# Altium PCB rv_ledbrick_8ch.PcbDoc (part 2 of 3)
Units mil, origin at the board's own origin, x right, y up, seen from the top; angles counter-clockwise.
Board outline 3346.46 x 3346.46 mil, 4 copper layers (Top Layer, Int1 (GND), Int2 (PWR), Bottom Layer), stack 53.912 mil thick; 212 components, 146 nets, 672 pads, 556 vias.
Unrouted connection lines stored in the file: 1.
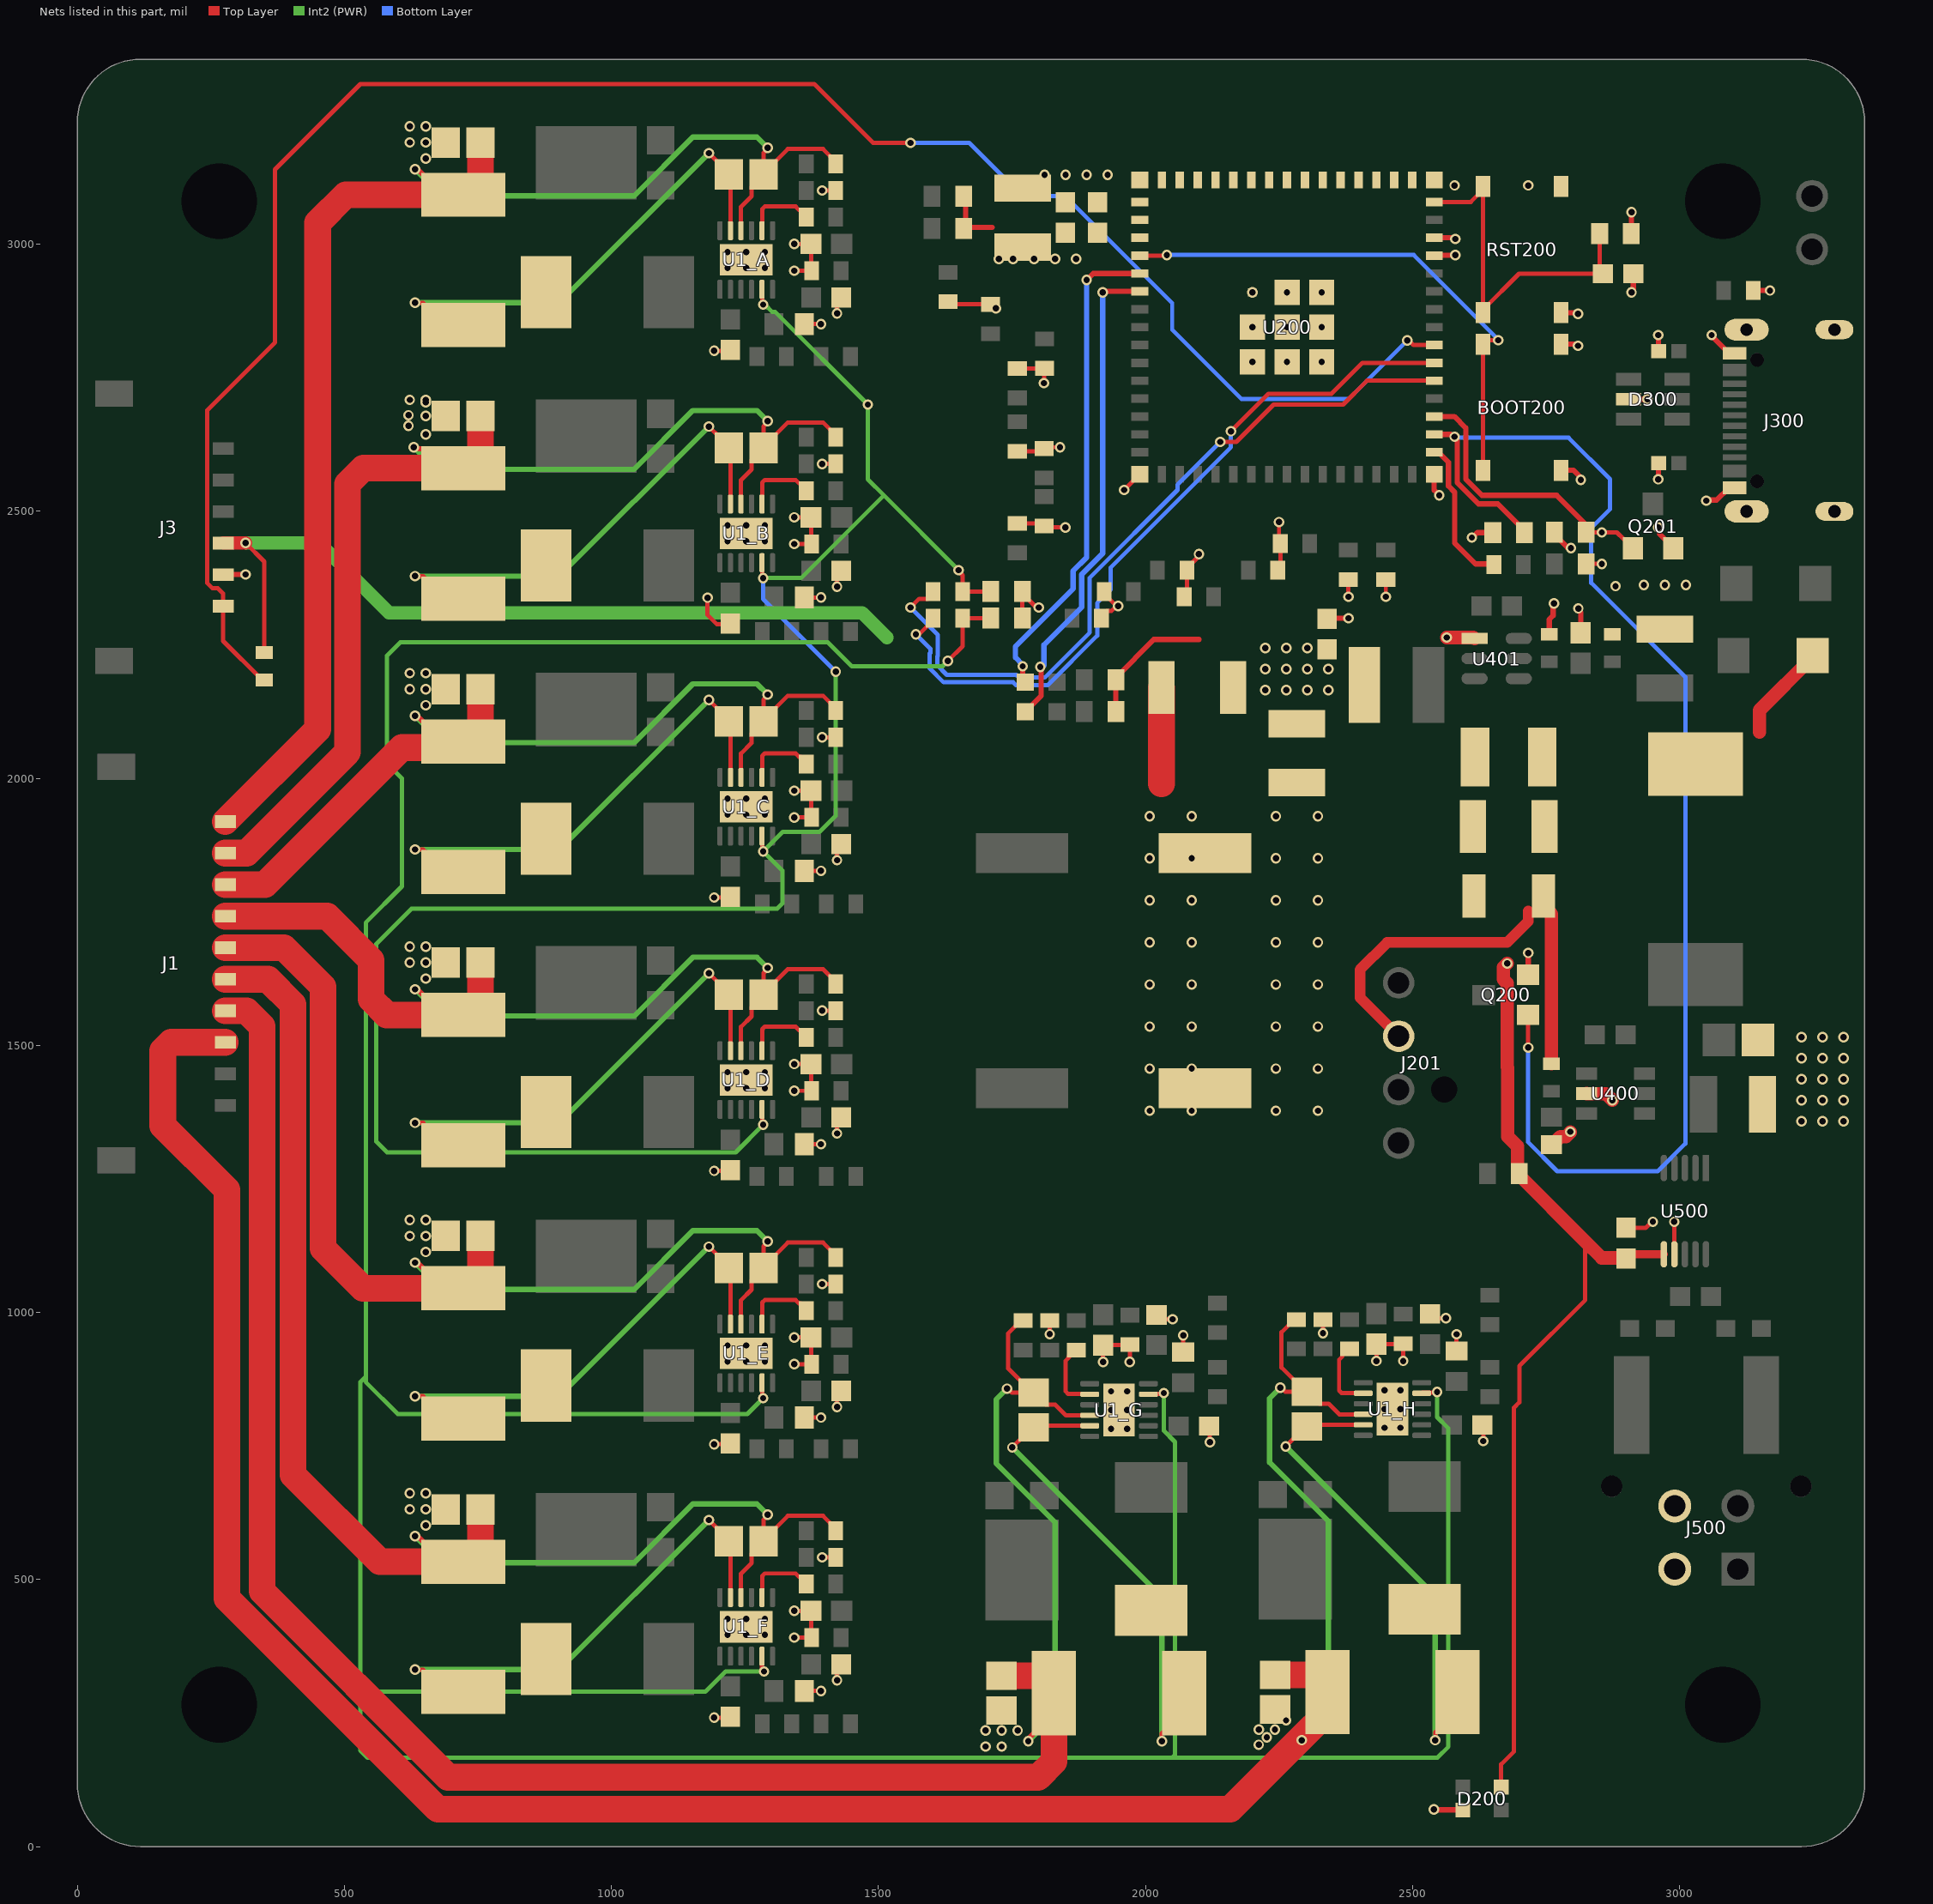
[diagram p4: the nets of this part, all layers, seen from the top]

## Part data
BOOT200 RST200: library part CMP-011-00015-1, "Switch Tactile N.O. SPST Round Button Gull Wing 0.05A 12VDC 200000Cycles 2.45N SMD T/R", Contact Current Rating=50mA, Contact Resistance=100mR, Max Operating Temperature=70°C, Min Operating Temperature=-20°C, Operating Force=260gf, Ratings=IP40, Voltage Rating (DC)=12V, Actuator Type=Standard, Height=1.65mm, Illumination Type=Non-Illuminated, Mechanical Life=200000Cycles, Mounting Technology="Surface Mount", Number of Positions=2, Series=PTS526, Switch Function=Off-Mom, Switch Travel=0.25mm, Termination="Gull Wing", Throw Configuration=SPST
C1_A C1_B C1_C C1_D C1_E C1_F C1_G C1_H C3_A C3_B C3_C C3_D C3_E C3_F C3_G C3_H C400: library part CMP-001-00130-1, "Ceramic Capacitor, Multilayer, Ceramic, 100V, 5% +Tol, 5% -Tol, X7R, 15% TC, 0.1uF, Surface Mount, 0805", Capacitor Type=Ceramic, Case/Package=0805, Max Operating Temperature=125°C, Min Operating Temperature=-55°C, Package Shape=Rectangular, Package Style=SMTMeter, Rated DC Voltage (URdc)=100V, Temperature Characteristics Code=X7R, Tolerance  (fill in as +-)=5%, Dielectric Material=Ceramic, Height=1.4mm, JESD-609 Code=e3, Length=2.01mm, Mounting Technology="Surface Mount", Multilayer=Yes, Packaging="Tape and Reel", Pins=2, Reach SVHC Compliant=Yes, RoHS Compliant=Yes, Terminal Finish=Nickel, Termination=Wraparound, Tolerance (fill in as +-)=5%, Width=1.25mm
C2_A C2_B C2_C C2_D C2_E C2_F C2_G C2_H C203 C206: library part CMP-001-00085-7, "Cap Ceramic 1uF 10V X7R 10% SMD 0603 125C Paper T/R"
C4_A C4_B C4_C C4_D C4_E C4_F C4_G C4_H: library part CMP-001-00131-2, "Ceramic Capacitor, Multilayer, Ceramic, 50V, 10% +Tol, 10% -Tol, X7R, 15% TC, 0.001uF, Surface Mount, 0603", Capacitor Type=Ceramic, Case/Package=0603, Max Operating Temperature=125°C, Min Operating Temperature=-55°C, Package Shape=Rectangular, Package Style=SMTMeter, Rated DC Voltage (URdc)=50V, Temperature Characteristics Code=X7R, Tolerance  (fill in as +-)=10%, Dielectric Material=Ceramic, Height=0.9mm, JESD-609 Code=e3, Length=1.6mm, Mounting Technology="Surface Mount", Multilayer=Yes, Packaging="Tape and Reel", Pins=2, Reach SVHC Compliant=Yes, RoHS Compliant=Yes, Terminal Finish=Nickel, Termination=Wraparound, Tolerance (fill in as +-)=10%, Width=0.81mm
C5 C6: library part CMP-001-00120-1, "Conductive Polymer Aluminum Solid Capacitor 56uF 20% 80V Surface Mount T/R", Case/Package=Radial, ESR (Equivalent Series Resistance)=28mR, Max Operating Temperature=125°C, Min Operating Temperature=-55°C, Tolerance=20%, Voltage Rating=80V, Mounting Technology="Surface Mount", RoHS Compliant=Yes, Series="OS-CON™, SXV"
C200 C201 C401 C404 C500 C501: library part CMP-001-00084-7, "Cap Ceramic 0.1uF 50V X7R 20% SMD 0603 125C Paper T/R", Voltage=50V
C202 C402 C405 C410: library part CMP-001-00083-3, "CAP CER 4.7UF 50V X7R 1210", Capacitance=4.7uF, Case Code (Imperial)=1210, Case Code (Metric)=3225, Dielectric=X7R, Max Operating Temperature=125°C, Min Operating Temperature=-55°C, Package Quantity=1, Tolerance=10%, Voltage=50V, Case/Package=1210, Contact Plating=Tin, Depth=2.5mm, Height=1.8mm, Lead Free="Lead Free", Length=3.2mm, Material=Ceramic, Mount="Surface Mount", Packaging="Tape and Reel", Radiation Hardening=No, Thickness=0.079inch, Voltage Rating=50V, Width=0.098inch
C403 C409: library part CMP-001-00125-1, "1210 22 uF 25 V ±20% Tolerance X7R Multilayer Ceramic Chip Capacitor", Case Code (Imperial)=1210, Case Code (Metric)=3225, Max Operating Temperature=125°C, Min Operating Temperature=-55°C, Tolerance=20%, Voltage Rating=25V, Case/Package=1210, Mounting Technology="Surface Mount", Packaging="Tape and Reel", RoHS Compliant=Yes, Series=M
C406: library part CMP-001-00128-1, "Multilayer Ceramic Capacitor, 0.47 uF, 50 V, ± 10%, X7R, 1210 [3225 Metric]", Case Code (Imperial)=1210, Case Code (Metric)=3225, Dielectric=X7R, Dielectric Material=Ceramic, Max Operating Temperature=125°C, Min Operating Temperature=-55°C, Package Quantity=1, Tolerance=10%, Voltage=50V, Case/Package=1210, Construction=Flat, Depth=2.5mm, Height=0.95mm, Lead Free="Lead Free", Length=3.2mm, Mounting Technology="Surface Mount,PCB", Packaging="Tape and Reel", Reach SVHC Compliant=No, RoHS Compliant=Yes, Series=C, Termination=SMD/SMT, Thickness=0.041inch, Voltage Rating=50V, Voltage Rating (DC)=50V, Width=0.098inch
C407: library part CMP-001-00119-1, "Multilayer Ceramic Capacitors MLCC - SMD/SMT 1210 10uF 63volts *Derate Voltage/Temp", Case Code (Imperial)=1210, Case Code (Metric)=3225, Dielectric=X7R, Dielectric Material=Ceramic, Tolerance=10%, Voltage=63V, Case/Package=1210, Depth=2.5mm, Height=2.5mm, Length=3.2mm, Material=Ceramic, Series=GRM, Termination=SMD/SMT, Thickness=0.106inch, Voltage Rating=63V, Voltage Rating (DC)=63V, Width=2.5mm
C408: library part CMP-001-00126-1, "Multilayer Ceramic Capacitor, 56 pF, 50 V, ± 5%, C0G (NP0), 0603 [1608 Metric]", Case Code (Imperial)=0603, Case Code (Metric)=1608, Dielectric=C0G, Max Operating Temperature=125°C, Min Operating Temperature=-55°C, Package Quantity=1, Temperature Coefficient=30ppm/°C, Tolerance=5%, Voltage Rating=50V, Case/Package=0603, Construction=Flat, Depth=0.8mm, Height=0.8mm, Lead Free="Lead Free", Lead Pitch=0.7mm, Length=1.6mm, Material=Ceramic, Mounting Technology="Surface Mount,PCB", Packaging="Tape and Reel", Pins=2, Radiation Hardening=No, Reach SVHC Compliant=No, RoHS Compliant=Yes, Series=C, Termination=SMD/SMT, Thickness=0.034inch, Voltage Rating (DC)=50V, Width=0.031inch
D1_A D1_B D1_C D1_D D1_E D1_F D1_G D1_H: library part CMP-004-00041-2, "Rectifier Diode, Schottky, 1 Phase, 1 Element, 100V V(RRM), Silicon", Case Connection=CATHODE, Forward Voltage=850mV, Max Operating Temperature=175°C, Max Power Dissipation=1.66W, Max Reverse Current=800nA, Min Operating Temperature=-55°C, Non-rep Pk Forward Current-Max=170A, Package Body Material=Plastic, Package Shape=Rectangular, Package Style="SMALL OUTLINEMeter", Rep Pk Reverse Voltage-Max=100V, Application(s)=EFFICIENCY, Diode Element Material=SILICON, Diode Type=RECTIFIER, JESD-30 Code=R-PDSO-F3, Number of Elements=1, Number of Phases=1, Pins=3, Reach SVHC Compliant=No, Reference Standard=AEC-Q101, Reverse Recovery Time-Max=0.014us, RoHS Compliant=Yes, Surface Mount=Yes, Technology=SCHOTTKY, Terminal Form=Flat, Terminal Position=DUAL
D200: library part CMP-004-00042-1, "LED; SMD; 2020; RGB; 2x2x0.84mm; 3.7Ã·5.3V; Lens: transparent; 2kHz", Case/Package=None, Check_prices=https://www.snapeda.com/parts/WS2812B2020/Worldsemi/view-part/?ref=eda, Component Type=Standard, Design Item ID=WS2812B2020, MF=WorldSemi, MP=WS2812B2020, Pins=4, SnapEDA_Link=https://www.snapeda.com/parts/WS2812B2020/Worldsemi/view-part/?ref=snap, Source=WS2812B2020.SchLib
D300: library part CMP-004-00040-1, "ESD Suppressor 15KV 6-Pin SOT-23 T/R - Product that comes on tape, but is not reeled", Breakdown Voltage=6V, Case/Package=SOT-23, Clamping Voltage=17V, Leakage Current=150nA, Max Breakdown Voltage=10V, Max Operating Temperature=125°C, Max Reverse Leakage Current=2uA, Min Operating Temperature=-40°C, Operating Supply Voltage=860mV, Peak Pulse Current=5A, Power Line Protection=Yes, Reverse Standoff Voltage=5V, Test Current=1mA, Clamping Voltage-Max=17V, Depth=1.75mm, Direction=Unidirectional, ESD Protection=Yes, Height=1.3mm, Lead Free="Lead Free", Length=3.05mm, Min Breakdown Voltage=6V, Mounting Technology="Surface Mount", Number of Channels=4, Number of Elements=1, Number of Unidirectional Channels=4, Packaging="Tape and Reel", Pins=6, Polarity=Unidirectional,Bidirectional, Radiation Hardening=No, Reach SVHC Compliant=No, Reverse Breakdown Voltage=6V, RoHS Compliant=Yes, Series=USB, Termination=SMD/SMT, Voltage Rating (DC)=5V, Width=1.75mm, Working Voltage=5V
D400 D401: library part CMP-080-0002-2, Design Item ID=DIODE_SCHOTTKY, Source=diode.SCHLIB
J1 J4: library part CMP-002-00088-1, "Conn Wire to Board HDR 10 POS 1.5mm Solder RA SMD Pico-Lock™ T/R"
J3: library part CMP-253-000000-2, "CONN WIRE TO BOARD RA 6POS", Color=Black, Current Rating=3A, Flammability Rating="UL94 V-0", Max Operating Temperature=85°C, Min Operating Temperature=-25°C, Package=None, Package Quantity=2700, Voltage Rating=150V, Availability=Unavailable, Component Type=Standard, Connector Type="Blade Pin", Contact Gender=Male, Contact Material="Copper Alloy,Copper", Contact Plating=Gold, Depth=6.44mm, Design Item ID=5040500691, Gender=Male, Glow Wire Compliant=Non-compliant, Halogen Free="Low Halogen", Housing Color=Black, Housing Material=Thermoplastic, Length=13.55mm, Mounting Technology="Surface Mount", MP=5040500691, Number of Circuits=6, Number of Contacts=6, Number of Positions=6, Number of Rows=1, Orientation="Right Angle", Packaging="Tape and Reel", Pin Count=8, Pitch=1.5mm, Price=None, Radiation Hardening=No, RoHS Compliant=Yes, Source=5040500691.SchLib, Termination=SMD/SMT
J200: library part CMP-166-0010-1, Design Item ID=M02PTH, Source=con-headers.SCHLIB
J201: library part CMP-133-0002-3, "KK 254 Vertical Header, with Friction Lock, 4 Circuits, PC Tail Length: 4.00mm", Color=Beige, Contact Material="Copper Alloy", Contact Mating Length=0.289inch, Contact Plating=Tin, Design Item ID=KK-254-4, Source=con-molex.SCHLIB
J300: library part CMP-243-000000-3, "16 Position 5 A USB Right Angle Receptacle Connector", Package=None, Availability=Unavailable, Component Type=Standard, Design Item ID=10155435-00011LF, MF="Amphenol ICC (FCI)", MP=10155435-00011LF, Pin Count=16, Price=None, Source=10155435-00011LF.SchLib
J500: library part CMP-002-00096-1, "PCB Header Temperature range: max. 105 °C Housing Material: Thermoplastic Poles: 4 Rated current: 5 A", Case/Package=0428, Color=Black, Contact Gender=Male, Contact Material=Brass
L1_A L1_B L1_C L1_D L1_E L1_F L1_G L1_H: library part CMP-006-00037-1, "General Purpose Inductor, 10uH, 20%, 1 Element, Composite-Core, SMD, 2525", Case/Size Code=2525, DC Resistance (DCR)=71.2mR, Inductance-Nom (L)=10uH, Inductor Application="HIGH CURRENT INDUCTOR", Inductor Type="GENERAL PURPOSE INDUCTOR", Max Current Rating=4A, Max Operating Temperature=125°C, Min Operating Temperature=-55°C, Package Height=3mm, Package Length=6.86mm, Package Style=SMTMeter, Package Width=6.47mm, Test Frequency=100kHz, Tolerance=20%, Channels=1, Construction=Shielded, Core Material=Ferrite, JESD-609 Code=e3, Packaging="Tape and Reel", Pins=2, Reach SVHC Compliant=Yes, RoHS Compliant=Yes, Shape/Size Description="RECTANGULAR PACKAGE", Shielding=Shielded, Surface Mount=Yes, Terminal Finish=Nickel, Terminal Placement="Dual Ended", Termination=Wraparound
L400: library part CMP-006-00034-1, "Ind Power Shielded Wirewound 68uH 20% 100KHz 22Q-Factor Ferrite 2.1A T/R", Case/Package=1260, Current Rating=2.1A, DC Resistance (DCR)=110mR, Frequency=7.43MHz, Inductance Tolerance=20%, Max Operating Temperature=125°C, Min Operating Temperature=-40°C, Package Quantity=600, Test Frequency=100kHz, Core Material=Ferrite, DC Current=2.1A, Depth=12.8mm, Height=6mm, Height - Seated (Max)=0.256inch, Length=12.5mm, Material=Steel, Max DC Current=2.1A, Military Standard=Not, Mounting Technology="Surface Mount", Packaging="Tape and Reel", Pins=2, Q Factor=22, Reach SVHC Compliant=No, RMS Current (Irms)=2.1A, RoHS Compliant=Yes, Sample Rate (Hz)=100kHz, Saturation Current=2.1A, Self Resonant Frequency=7.43MHz, Series=SRR1260, Shielding=Shielded, Termination=SMD/SMT, Tolerance=20%, Width=12.5mm
L401: library part CMP-006-00036-2, "Ind Power Semi-Shielded Wirewound 4.7uH 20% 100KHz Ferrite 1.9A 1515 T/R", Case/Package=Nonstandard, Current Rating=1.9A, DC Resistance (DCR)=84mR, Inductance Tolerance=20%, Max Operating Temperature=120°C, Min Operating Temperature=-25°C, Package Quantity=3000, Saturation Current=2A, Self Resonant Frequency=35MHz, Test Frequency=100kHz, Core Material=Ferrite, Depth=4.2mm, ESR=84mR, Height=1.8mm, Height - Seated (Max)=0.071inch, Length=4mm, Material=Steel, Max DC Current=1.9A, Mounting Technology="Surface Mount", Packaging="Cut Tape", Pins=2, Q Factor=9, Radiation Hardening=No, Reach SVHC Compliant=No, RMS Current (Irms)=1.9A, RoHS Compliant=Yes, Sample Rate (Hz)=100kHz, Series=SRN4018, Shielding=Shielded, Termination=SMD/SMT, Tolerance=20%, Width=4mm
LED200 LED201: library part CMP-130-0000-1, Design Item ID=LED0603, Source=led.SchLib
Q200 Q201: library part CMP-094-0000-1, Design Item ID=NFET, Source=fet.SchLib
R1_A R1_B R1_C R1_D R1_E R1_F R1_G R1_H: library part CMP-009-00243-1, "Fixed Resistor, Metal Strip, 3W, 0.1ohm, 5.48V, 1% +/-Tol, 50ppm/Cel, Surface Mount, 2513"
R2_A R2_B R2_C R2_D R2_E R2_F R2_G R2_H R205 R206 R230: library part CMP-009-00193-3, "Res Thick Film 0603 1K Ohm 1% 1/10W ±100ppm/°C Molded SMD Punched Carrier T/R"
R3_A R3_B R3_C R3_D R3_E R3_F R3_G R3_H: library part CMP-009-00187-4, "VISHAY - CRCW06031M00FKEAHP - RES, AEC-Q200, THICK FILM, 1M, 0603"
R4_A R4_B R4_C R4_D R4_E R4_F R4_G R4_H: library part CMP-009-00208-2, "Res Thick Film 0603 309K Ohm 1% 0.1W(1/10W) ±100ppm/C Molded SMD Paper T/R"
R5_A R5_B R5_C R5_D R5_E R5_F R5_G R5_H: library part CMP-009-00244-2, "Fixed Resistor, Metal Glaze/thick Film, 0.1W, 18000ohm, 75V, 1% +/-Tol, 100ppm/Cel, Surface Mount, 0603", Case/Package=0603, Max Operating Temperature=155°C, Min Operating Temperature=-55°C, Package Height=0.45mm, Package Length=1.55mm, Package Shape=Rectangular, Package Style=SMTMeter, Package Width=0.85mm, Power=100mW, Rated Temperature=70°C, Resistor Type="FIXED RESISTOR", Temperature Coefficient=100ppm/°C, Tolerance=1%, Working Voltage=75V, Construction=Chip, JESD-609 Code=e3, Mounting Technology="Surface Mount", Packaging="Tape and Reel", Pins=2, Reach SVHC Compliant=Yes, Reference Standard=AEC-Q200, RoHS Compliant=Yes, Technology="METAL GLAZE/THICK FILM", Terminal Finish=Nickel, Termination=Wraparound
R6_A R6_B R6_C R6_D R6_E R6_F R6_G R6_H: library part CMP-009-00245-1, "Fixed Resistor, Metal Glaze/thick Film, 0.1W, 61900ohm, 75V, 1% +/-Tol, 100ppm/Cel, Surface Mount, 0603", Case/Package=0603, Max Operating Temperature=155°C, Min Operating Temperature=-55°C, Package Height=0.45mm, Package Length=1.6mm, Package Shape=Rectangular, Package Style=SMTMeter, Package Width=0.8mm, Power=100mW, Rated Temperature=70°C, Resistor Type="FIXED RESISTOR", Temperature Coefficient=100ppm/°C, Tolerance=1%, Working Voltage=75V, Construction=Rectangular, JESD-609 Code=e3, Mounting Technology="Surface Mount", Packaging="Tape and Reel", Pins=2, Reach SVHC Compliant=Yes, Reference Standard=AEC-Q200, RoHS Compliant=Yes, Technology="METAL GLAZE/THICK FILM", Terminal Finish=Nickel, Termination=Wraparound
R7_A R7_B R7_C R7_D R7_E R7_F R7_G R7_H R400 R401: library part CMP-009-00203-1, "Res Thick Film 1.6 x 0.8 mm 100K Ohm 1% 0.1W(1/10W) 100ppm/ C Molded SMD Paper T/R"
R8_A R8_B R8_C R8_D R8_E R8_F R8_G R8_H R9_A R9_B R9_C R9_D R9_E R9_F R9_G R9_H R224 R228 R229: library part CMP-009-00180-2, "YAGEO (PHYCOMP) - RC0603FR-0710RL - RES, THICK FILM, 10R, 1%, 0.1W, 0603", Case Code (Imperial)=0603, Case Code (Metric)=1608, Max Operating Temperature=155°C, Min Operating Temperature=-55°C, Power Rating=100mW, Resistance=10R, Resistor Type="Thick Film", Temperature Coefficient=200ppm/°C, Tolerance=1%, Voltage Rating=50V, Case/Package=0603, Contact Plating=Tin,Matte, Depth=0.8mm, Height=0.45mm, Lead Free="Lead Free", Length=1.6mm, Military Standard=Not, Number of Pins=2, Packaging="Tape and Reel", Radiation Hardening=No, REACH SVHC="No SVHC", Termination=SMD/SMT, Voltage Rating (DC)=50V, Width=0.8mm
R10: library part CMP-009-00205-1, "RES SMD 4.7K OHM 1% 1/10W 0603"
R200 R201 R202 R203 R204 R207 R208 R209 R210 R211 R212 R213 R214 R215 R216 R217 R218 R219 R220 R221 R222 R223 R225 R226 R227: library part CMP-009-00191-4, "Res General Purpose Thick Film 0603 10K Ohm 1% 1/10W ±100ppm/°C Molded SMD Paper T/R"
R300 R301: library part CMP-009-00234-1, "SMD Chip Resistor, 5.1 kOhm, ± 1%, 63 mW, 0402 [1005 Metric], Thick Film, General Purpose", Case Code (Imperial)=0402, Case Code (Metric)=1005, Max Operating Temperature=155°C, Max Power Dissipation=63mW, Min Operating Temperature=-55°C, Temperature Coefficient=100ppm/°C, Tolerance=1%, Voltage Rating=50V, Case/Package=0402, Features="Moisture Resistant,Automotive AEC-Q200", Height=0.015inch, Lead Free="Lead Free", Length=0.039inch, Mounting Technology="Surface Mount", Number of Terminations=2, Packaging="Cut Tape", Power Rating=63mW, RoHS Compliant=Yes, Series=AC, Width=0.02inch
R402: library part CMP-009-00235-1, "Res Thin Film 0603 7.15K Ohm 0.1% 1/10W ±25ppm/°C Molded SMD SMD Punched Carrier T/R", Case Code (Imperial)=0603, Case Code (Metric)=1608, Max Operating Temperature=155°C, Max Power Dissipation=100mW, Min Operating Temperature=-55°C, Package Quantity=1, Ratings=AEC-Q200, Resistance Tolerance=0.1%, Resistor Type="Thin Film", Temperature Coefficient=25ppm/°C, Voltage Rating=75V, Case/Package=0603, Contact Plating=Tin, Depth=0.8mm, Features="Automotive AEC-Q200", Height=0.45mm, Lead Free="Lead Free", Length=1.6mm, Mounting Technology="Surface Mount", Number of Terminations=2, Packaging="Tape and Reel", Pins=2, Power Rating=100mW, Reach SVHC Compliant=No, RoHS Compliant=Yes, Series=ERA, Technology="METAL FILM", Termination=SMD/SMT, Voltage Rating (DC)=75V, Weight=7.1E-05oz, Width=0.8mm
R403: library part CMP-009-00207-3, "RES SMD 22.1KOHM 0.1% 1/10W 0603"
R500 R502: library part CMP-009-00246-1, "Fixed Resistor, Metal Glaze/thick Film, 0.1W, 100ohm, 75V, 1% +/-Tol, 100ppm/Cel, Surface Mount, 0603", Case/Package=0603, Max Operating Temperature=155°C, Min Operating Temperature=-55°C, Package Height=0.45mm, Package Length=1.6mm, Package Shape=Rectangular, Package Style=SMTMeter, Package Width=0.8mm, Power=100mW, Rated Temperature=70°C, Resistor Type="FIXED RESISTOR", Temperature Coefficient=100ppm/°C, Tolerance=1%, Working Voltage=75V, Additional Feature="LASER TRIMMABLE", Construction=Chip, JESD-609 Code=e3, Mounting Technology="Surface Mount", Packaging="Tape and Reel", Pins=2, Reach SVHC Compliant=Yes, RoHS Compliant=Yes, Technology="METAL GLAZE/THICK FILM", Terminal Finish=Nickel, Termination=Wraparound
R501: library part CMP-009-00241-2, "Res Metal Strip 2818 0.005 Ohm 1% 5W ±200ppm/°C Pad SMD Automotive T/R", Case Code (Imperial)=2818, Case Code (Metric)=7146, Max Operating Temperature=170°C, Max Power Dissipation=5W, Min Operating Temperature=-65°C, Package Quantity=1, Resistance Tolerance=1%, Resistor Type="Metal Strip", Temperature Coefficient=200ppm/°C, Case/Package=2818, Features="Moisture Resistant,Automotive AEC-Q200", Height=0.055inch, Length=0.28inch, Number of Terminations=2, Packaging="Cut Tape", Power Rating=5W, Radiation Hardening=No, Reach SVHC Compliant=Unknown, RoHS Compliant=Yes, Series=WSH2818, Termination=SMD/SMT, Tolerance=1%, Width=4.6mm
U1_A U1_B U1_C U1_D U1_E U1_F U1_G U1_H: library part CMP-019-00085-2, "65-V, 2-A buck LED driver with inductive fast dimming and spread spectrum 12-WSON -40 to 125"
U200: library part CMP-247-000000-1, "Bluetooth, WiFi 802.11b/g/n, Bluetooth v5.0 Transceiver Module 2.4GHz PCB Trace Surface Mount", Package=None, Availability="In Stock", Check_prices=https://www.snapeda.com/parts/ESP32-S3-MINI-1-N8/Espressif+Systems/view-part/?ref=eda, Component Type=Standard, Design Item ID=ESP32-S3-MINI-1-N8, MF="Espressif Systems", MP=ESP32-S3-MINI-1-N8, Pin Count=73, Price=None, Purchase-URL=https://pricing.snapeda.com/search?q=ESP32-S3-MINI-1-N8&ref=eda, SnapEDA_Link=https://www.snapeda.com/parts/ESP32-S3-MINI-1-N8/Espressif+Systems/view-part/?ref=snap, Source=ESP32-S3-MINI-1-N8.SchLib
U400: library part CMP-019-00077-1, "SIMPLE SWITCHER® power converter with 4.5V-to-65V 1A synchronous buck and 25µA quiescent current 6-SOT-23 -40 to 150"
U401: library part CMP-019-00081-1, "4.5V to 28V Input, 2A Output, EMI Friendly Synchronous Step-Down Converter 6-SOT-23-THIN -40 to 125", Case/Package=SOT-23-6, Max Operating Temperature=125°C, Max Output Voltage=28V, Min Input Voltage=4.5V, Min Operating Temperature=-40°C, Min Output Voltage=596mV, Nominal Supply Current=45uA, Output Current=2A, Quiescent Current=40uA, Switching Frequency=500kHz, Height=1.1mm, Lead Free="Lead Free", Length=2.9mm, Max Duty Cycle=100%, Max Supply Voltage=28V, Min Supply Voltage=4.5V, Mounting Technology="Surface Mount", Number of Channels=1, Number of Outputs=1, Output Configuration=Positive, Output Type=Adjustable, Packaging="Tape and Reel", Pins=6, RoHS Compliant=Yes, Series=Eco-Mode™, Synchronous Rectifier=Yes, Thickness=870um, Width=1.6mm